# Allegro board MYD-Y6ULX_TEST_V10A.brd
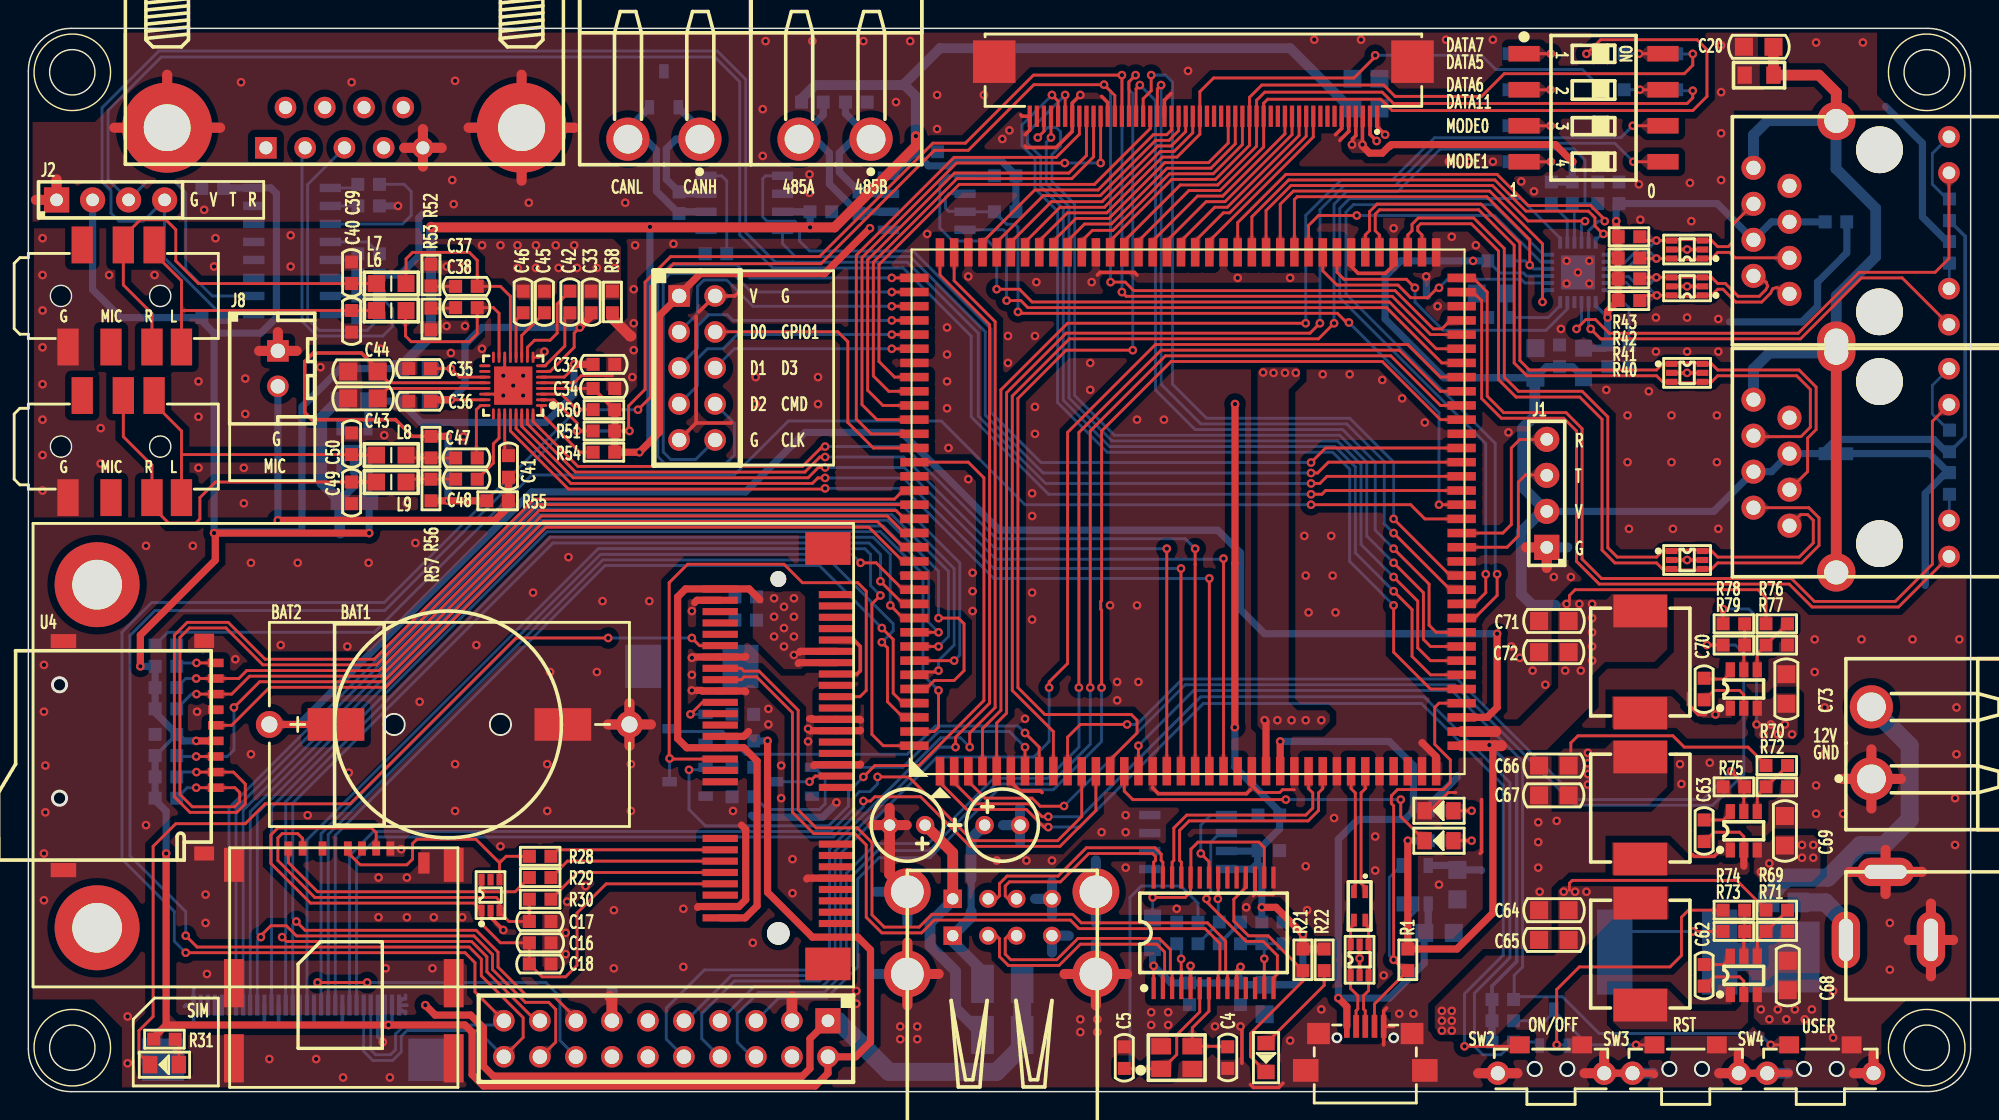
[diagram p0: board, top side]
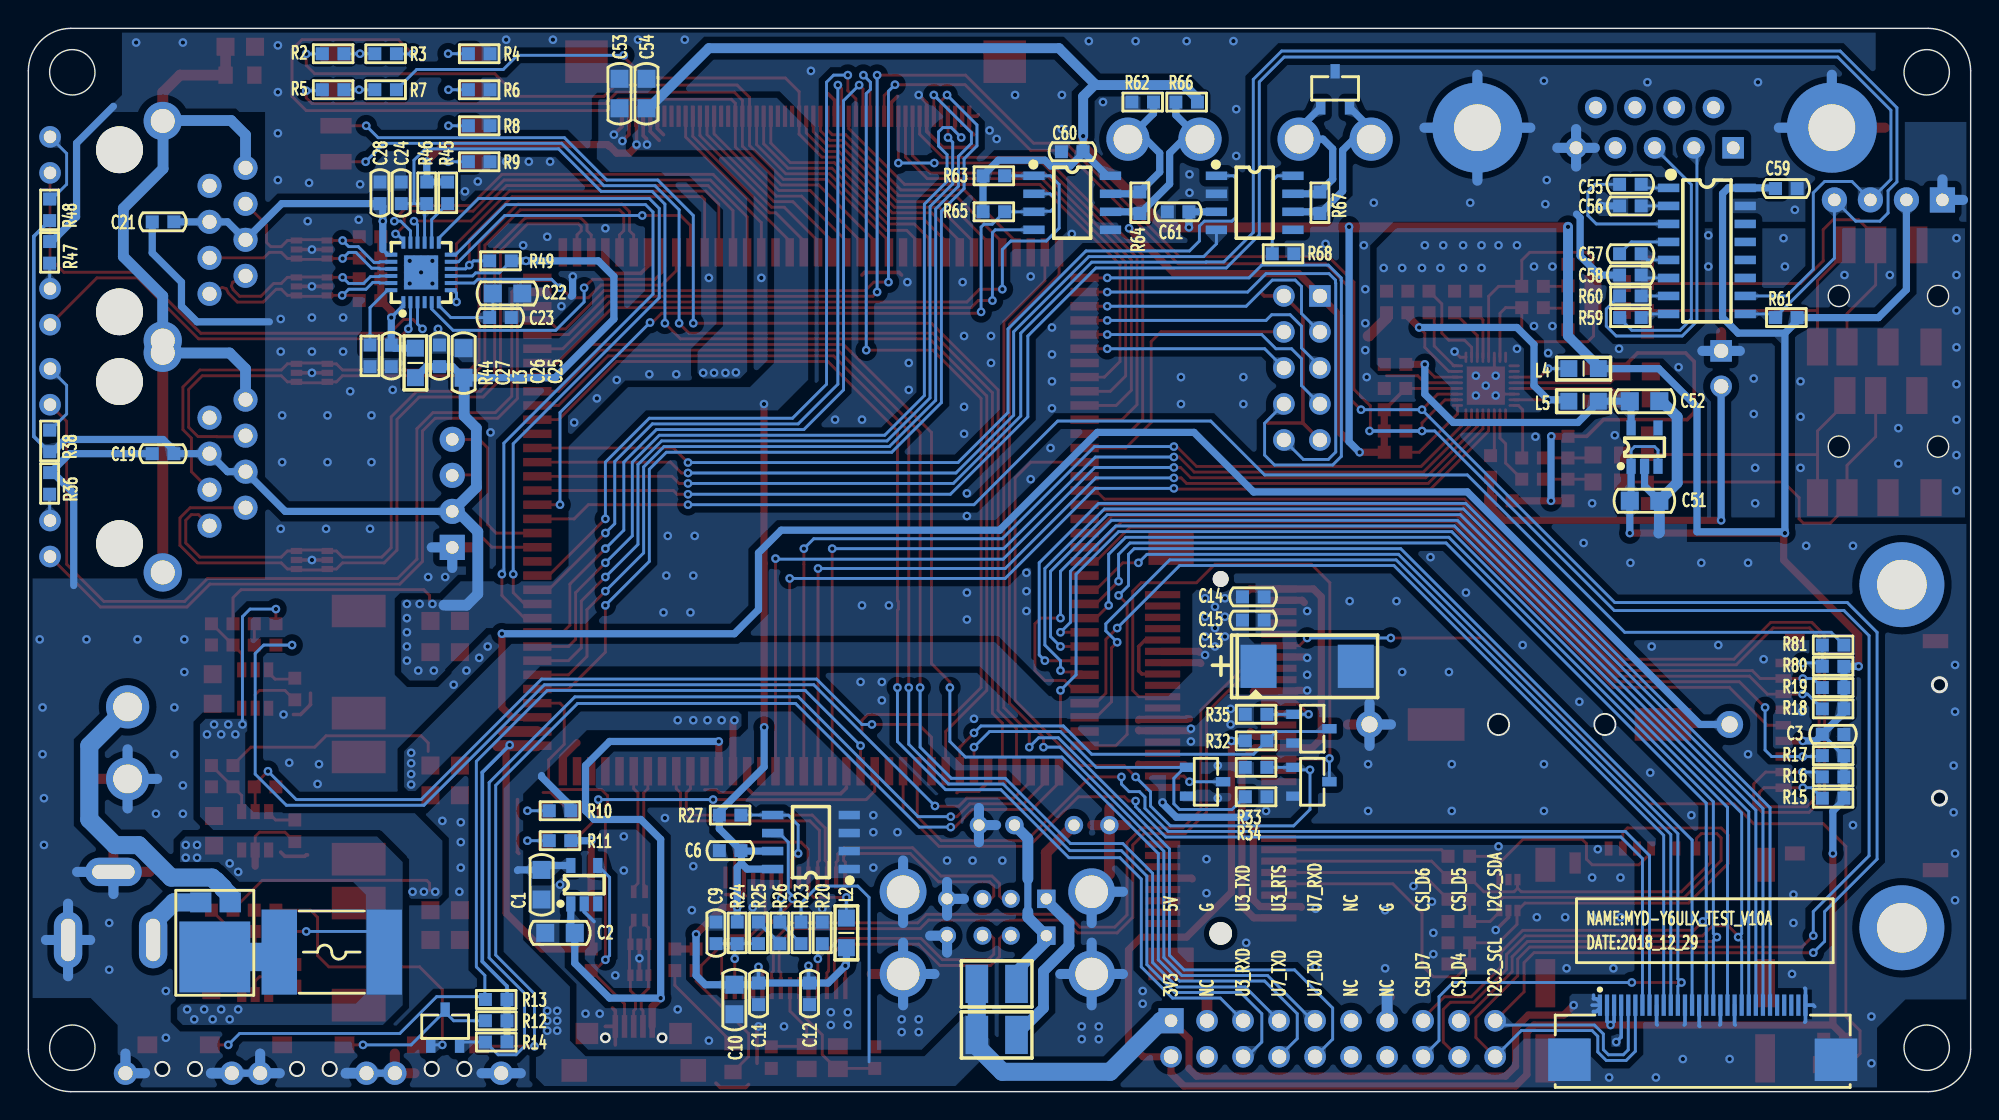
[diagram p1: board, bottom side, seen from below]

Outline 137 x 75 mm; copper layers: TOP, BOTTOM. Coordinates in mm from the lower left corner of the outline.
Outline path: circle c3.1,71.9 r1.6 ; circle c3.1,3.1 r1.6 ; circle c133.9,71.9 r1.6 ; circle c133.9,3.1 r1.6 ; 0,72 0,3 arc(0.88,0.88) 3,0 134,0 arc(136.12,0.88) 137,3 137,72 arc(136.12,74.12) 134,75 3,75 arc(0.88,74.12) 0,72

## Design rules (mm)
constraint set DEFAULT: min track width 0.203, pair gap 0.203
net group *4G_USB_D: nets 4G_USB_DM 4G_USB_DP
net group *HOST1_USB_D: nets HOST1_USB_DM HOST1_USB_DP
net group *HOST2_USB_D: nets HOST2_USB_DM HOST2_USB_DP
net group D: nets DN DP
net group ETH1_RX: nets ETH1_RXN ETH1_RXP
net group ETH1_TX: nets ETH1_TXN ETH1_TXP
net group ETH2_RX: nets ETH2_RXN ETH2_RXP
net group ETH2_TX: nets ETH2_TXN ETH2_TXP
net group USB_OTG1_D: nets USB_OTG1_DN USB_OTG1_DP
net group USB_OTG2_D: nets USB_OTG2_DN USB_OTG2_DP

## Placement (name value [footprint] x y rotation side)
BAT1  CR2032/NI  [CR1220]  29.7 25.9 180 top
BAT2  -  [ER14250]  29.7 25.9 0 top
C1  10uF_25V  [CC0805]  100.8 14.6 270 bottom
C2  10uF_25V  [CC0805]  99.5 11.2 0 bottom
C3  0.1uF_50V  [CC0603]  9.7 25.2 0 bottom
C4  20pF_50V  [CC0603]  84.6 2.4 90 top
C5  20pF_50V  [CC0603]  77.3 2.4 270 top
C6  0.1uF_50V  [CC0603]  87.5 17 180 bottom
C7  470uF_6V3  [CAP-2R5-6R3X6R3]  62 18.8 180 top
C8  470uF_6V3  [CAP-2R5-6R3X6R3]  68.7 18.8 0 top
C9  1uF_50V  [CC0603]  88.5 11.2 270 bottom
C10  10uF_25V  [CC0805]  87.2 6.5 270 bottom
C11  0.1uF_50V  [CC0603]  85.5 6.9 90 bottom
C12  0.1uF_50V  [CC0603]  81.9 6.9 90 bottom
C13  220uF_10V  [CC7343_31]  46.8 30 180 bottom
C14  0.1uF_50V  [CC0603]  50.6 34.9 0 bottom
C15  30pF_50V  [CC0603]  50.6 33.26 0 bottom
C16  0.1uF_50V  [CC0603]  36.1 10.5 0 top
C17  33pF_50V  [CC0603]  36.1 12 180 top
C18  33pF_50V  [CC0603]  36.1 9 180 top
C19  0.1uF_50V  [CC0603]  127.5 45 0 bottom
C20  4.7nF_50V  [CC0805]  122.05 73.7 0 top
C21  0.1uF_50V  [CC0603]  127.5 61.35 0 bottom
C22  10uF_25V  [CC0805]  103.2 56.3 0 bottom
C23  0.1uF_50V  [CC0603]  103.7 54.6 0 bottom
C24  0.1uF_50V  [CC0603]  110.7 63.4 270 bottom
C25  10uF_25V  [CC0805]  106.3 51.4 270 bottom
C26  0.1uF_50V  [CC0603]  108 51.9 270 bottom
C27  0.1uF_50V  [CC0603]  111.4 51.9 90 bottom
C28  0.1uF_50V  [CC0603]  112.2 63.4 270 bottom
C32  0.1uF_50V  [CC0603]  40.6 51.3 180 top
C33  2.2uF_25V  [CC0603]  39.7 55.7 270 top
C34  0.1uF_50V  [CC0603]  40.6 49.6 180 top
C35  0.1uF_50V  [CC0603]  27.6 51 0 top
C36  0.1uF_50V  [CC0603]  27.6 48.7 0 top
C37  0.1uF_50V  [CC0603]  30.9 56.8 0 top
C38  0.1uF_50V  [CC0603]  30.9 55.3 0 top
C39  470pF_50V  [CC0603]  22.8 57.76 270 top
C40  470pF_50V  [CC0603]  22.8 54.34 90 top
C41  1uF_25V  [CC0603]  33.86 44.1 90 top
C42  2.2uF_25V  [CC0603]  38.2 55.7 270 top
C43  10uF_25V  [CC0805]  23.6 48.9 0 top
C44  10uF_25V  [CC0805]  23.6 50.8 0 top
C45  2.2uF_25V  [CC0603]  36.4 55.7 270 top
C46  2.2uF_25V  [CC0603]  34.9 55.7 270 top
C47  1uF_25V  [CC0603]  30.9 44.7 0 top
C48  1uF_25V  [CC0603]  30.9 43.2 0 top
C49  470pF_50V  [CC0603]  22.8 42.24 90 top
C50  470pF_50V  [CC0603]  22.8 45.7 270 top
C51  10uF_25V  [CC0805]  23 41.68 0 bottom
C52  10uF_25V  [CC0805]  23 48.7 0 bottom
C53  10uF_25V  [CC0805]  95.3 70.4 270 bottom
C54  10uF_25V  [CC0805]  93.4 70.4 270 bottom
C55  0.1uF_50V  [CC0603]  24 64 0 bottom
C56  0.1uF_50V  [CC0603]  24 62.48 180 bottom
C57  0.1uF_50V  [CC0603]  24 59.1 180 bottom
C58  0.1uF_50V  [CC0603]  24 57.6 180 bottom
C59  0.1uF_50V  [CC0603]  13 63.7 0 bottom
C60  0.1uF_50V  [CC0603]  63.37 66.3 180 bottom
C61  0.1uF_50V  [CC0603]  55.9 62.06 0 bottom
C62  0.1uF_25V  [CC0603]  118.2 8.2 270 top
C63  0.1uF_25V  [CC0603]  118.2 18.4 270 top
C64  10uF_25V  [CC0805]  107.6 12.8 0 top
C65  10uF_25V  [CC0805]  107.6 10.7 180 top
C66  10uF_25V  [CC0805]  107.6 23 0 top
C67  10uF_25V  [CC0805]  107.6 20.9 180 top
C68  10uF_25V  [CC0805]  124.1 8.2 270 top
C69  10uF_25V  [CC0805]  123.9 18.4 270 top
C70  0.1uF_25V  [CC0603]  118.2 28.4 270 top
C71  10uF_25V  [CC0805]  107.6 33.2 0 top
C72  10uF_25V  [CC0805]  107.6 31 180 top
C73  10uF_25V  [CC0805]  124 28.4 270 top
CON1  5039600696  [SIM_PUSH]  30.3 17.2 180 top
D1  LED_RED  [LED0805]  99.5 19.81 180 top
D2  LED_RED  [LED0805]  99.5 17.7 180 top
D3  BAT54C  [SOT23-3]  107.6 4.52 180 bottom
D4  LED_GREEN  [LED0805]  87.3 2.4 270 top
D5  LED_GREEN  [LED0805]  9.6 1.9 180 top
D6  V10P10  [TO-227A]  123.8 9.5 0 bottom
DC1  -  [DC005]  134.2 10.7 180 top
F1  SMD1210-200  [SMD-1210]  68.7 7.6 180 bottom
F2  SMD1210-200  [SMD-1210]  68.7 4 180 bottom
F3  SMD150L  [FUSE2920]  115.6 9.84 180 bottom
J1  -  [HEADER4X1_2R54]  107.1 42.2 90 top
J2  -  [HEADER4X1_2R54]  5.8 62.9 0 top
J5  -  [HR911105A]  130.57 44.37 270 top
J6  -  [HR911105A]  130.57 60.72 270 top
J7  -  [PJ-393]  0 56.12 180 top
J8  -  [XHB-2A]  17.6 51 270 top
J9  -  [PJ-393]  0 45.5 180 top
J10  FH12-50S-0R5SV  [FFC-50P-0R5-SMD]  82.38 68.8 180 top
J11  FH12-30S-0R5SV  [FFC-30P-0R5-SMD]  18.9 6.1 180 bottom
J12  -  [DB9-F]  22.29 67.99 0 top
J13  -  [HEADER5X2_2R54]  45.9 56.12 270 top
J14  -  [HEADER10X2_2R54]  56.4 5 180 top
J15  -  [WJ2EDGRC-5R08-2P]  130 24.6 90 top
J16  -  [WJ2EDGRC-5R08-2P]  56.9 67.19 180 top
J17  -  [WJ2EDGRC-5R08-2P]  44.83 67.19 180 top
L1  ACM2012-900-2P-T002  [ACM2012-900-2P]  93.9 13.1 270 top
L2  BLM21PG600  [LC0805]  79.3 11.2 90 bottom
L3  BLM21PG600  [LC0805]  109.7 51.4 90 bottom
L4  BLM21PG600  [LC0805]  27.3 51 180 bottom
L5  BLM21PG600  [LC0805]  27.3 48.7 180 bottom
L6  BLM21PG600  [LC0805]  25.6 55.1 180 top
L7  BLM21PG600  [LC0805]  25.6 57 180 top
L8  BLM21PG600  [LC0805]  25.6 44.9 180 top
L9  BLM21PG600  [LC0805]  25.6 43 180 top
L10  TSM0630-3R3M  [TSM0630]  113.7 9.7 90 top
L11  TSM0630-3R3M  [TSM0630]  113.7 20 90 top
L12  TSM0630-3R3M  [TSM0630]  113.7 30.3 90 top
NOREF  -  []  0 0 90 top
NOREF#2  -  []  0 0 0 top
Q1  2N7002  [SOT23-3]  46.5 21.86 270 bottom
Q2  2N7002  [SOT23-3]  54 21.86 270 bottom
Q3  2N7002  [SOT23-3]  46.5 25.6 270 bottom
R1  10K  [RC0603]  97.3 9.3 270 top
R2  0R  [RC0603]  115.5 73.21 180 bottom
R3  0R/NI  [RC0603]  111.8 73.21 0 bottom
R4  1K  [RC0603]  105.2 73.21 180 bottom
R5  0R  [RC0603]  115.5 70.67 180 bottom
R6  1K  [RC0603]  105.2 70.67 180 bottom
R7  0R/NI  [RC0603]  111.8 70.67 0 bottom
R8  1K  [RC0603]  105.2 68.13 180 bottom
R9  1K  [RC0603]  105.2 65.59 180 bottom
R10  10K  [RC0603]  99.5 19.81 0 bottom
R11  10K  [RC0603]  99.5 17.7 0 bottom
R12  100K  [RC0603]  104 5 180 bottom
R13  100K  [RC0603]  104 6.5 180 bottom
R14  100K  [RC0603]  104 3.5 180 bottom
R15  47K  [RC0603]  9.7 20.7 180 bottom
R16  47K  [RC0603]  9.7 22.2 180 bottom
R17  47K  [RC0603]  9.7 23.7 180 bottom
R18  47K  [RC0603]  9.7 27 180 bottom
R19  47K  [RC0603]  9.7 28.5 180 bottom
R20  680R  [RC0603]  81 11.2 270 bottom
R21  100K  [RC0603]  89.9 9.3 90 top
R22  10K  [RC0603]  91.4 9.3 90 top
R23  30K  [RC0603]  82.5 11.2 270 bottom
R24  10K  [RC0603]  87 11.2 270 bottom
R25  47K  [RC0603]  85.5 11.2 270 bottom
R26  30K  [RC0603]  84 11.2 270 bottom
R27  10K  [RC0603]  87.5 19.51 0 bottom
R28  22R  [RC0603]  36.1 16.6 180 top
R29  22R  [RC0603]  36.1 15.1 180 top
R30  22R  [RC0603]  36.1 13.57 180 top
R31  10K  [RC0603]  9.6 3.7 0 top
R32  10K  [RC0603]  50.4 24.74 180 bottom
R33  10K  [RC0603]  50.4 22.87 0 bottom
R34  10K  [RC0603]  50.4 20.8 180 bottom
R35  10K  [RC0603]  50.4 26.62 0 bottom
R36  510R  [RC0603]  135.5 42.9 270 bottom
R38  510R  [RC0603]  135.5 45.9 90 bottom
R39  10M  [R0805]  122.08 71.7 0 top
R40  49.9R  [RC0603]  112.9 55.8 180 top
R41  49.9R  [RC0603]  112.9 57.34 180 top
R42  49.9R  [RC0603]  112.9 58.8 180 top
R43  49.9R  [RC0603]  112.9 60.3 180 top
R44  12.1K  [RC0603]  112.9 51.9 270 bottom
R45  1K  [RC0603]  107.42 63.4 90 bottom
R46  1K  [RC0603]  108.9 63.4 90 bottom
R47  510R  [RC0603]  135.5 59.2 270 bottom
R48  510R  [RC0603]  135.5 62.2 90 bottom
R49  10K  [RC0603]  103.7 58.6 0 bottom
R50  2.2K  [RC0603]  40.6 48.1 0 top
R51  2.2K  [RC0603]  40.6 46.6 0 top
R52  22R  [RC0603]  28.4 57.6 270 top
R53  22R  [RC0603]  28.4 54.5 90 top
R54  1K  [RC0603]  40.6 45.1 180 top
R55  2.2K  [RC0603]  33.1 41.68 180 top
R56  2.2K  [RC0603]  28.4 45.46 90 top
R57  2.2K  [RC0603]  28.4 42.44 270 top
R58  0R  [RC0603]  41.2 55.7 90 top
R59  100R  [RC0603]  24 54.6 180 bottom
R60  100R  [RC0603]  24 56.12 180 bottom
R61  10K  [RC0603]  13 54.6 0 bottom
R62  10K  [RC0603]  58.4 69.8 180 bottom
R63  10K  [RC0603]  68.9 64.6 180 bottom
R64  120R/NI  [RC0603]  58.6 62.7 90 bottom
R65  10K  [RC0603]  68.9 62.06 0 bottom
R66  10K  [RC0603]  55.3 69.8 180 bottom
R67  120R  [RC0603]  45.9 62.7 90 bottom
R68  10K  [RC0603]  48.5 59.1 0 bottom
R69  300K  [RC0603]  123.32 12.8 0 top
R70  300K  [RC0603]  123.32 23 0 top
R71  57.6K  [RC0603]  123.32 11.3 0 top
R72  80.6K  [RC0603]  123.32 21.5 0 top
R73  100K  [RC0603]  120.3 11.3 0 top
R74  0R  [RC0603]  120.3 12.8 180 top
R75  100K  [RC0603]  120.3 21.5 0 top
R76  300K  [RC0603]  123.32 33 0 top
R77  95.3K  [RC0603]  123.32 31.5 0 top
R78  100K  [RC0603]  120.3 33 0 top
R79  1K  [RC0603]  120.3 31.5 180 top
R80  47K  [RC0603]  9.7 30 180 bottom
R81  0R/NI  [RC0603]  9.7 31.5 180 bottom
SW1  -  [DM-04-V]  110.4 69.4 270 top
SW2  -  [K2-1112SW-A4SW-04]  107.4 1.6 180 top
SW3  -  [K2-1112SW-A4SW-04]  116.9 1.6 180 top
SW4  -  [K2-1112SW-A4SW-04]  126.4 1.6 180 top
U1  -  [MYC-Y6ULX_SOM]  81.8 40.9 90 top
U2  TPS2041BDBV  [SOT23-5]  97.79 14.6 180 bottom
U3  TPD4E1U06DCKR  [SOT363]  93.9 9.3 0 top
U4  -  [TFCARD]  12.9 23.7 270 top
U5  X322512MSB4SI  [X-4P-3R2X2R5-SMD]  81 2.4 0 top
U6  GL850G  [TSSOP28]  83.6 11.2 0 top
U7  AT24C02C-SSHM-T  [SOIC8]  81.8 17.6 90 bottom
U8  679105700(molex Mini PCI-E)  [MINI_PCIE_SLOT]  57 11.86 90 top
U9  SMF05C  [SOT363]  32.6 13.86 0 top
U10  TPD4E1U06DCKR  [SOT363]  117 37.5 270 top
U11  TPD4E1U06DCKR  [SOT363]  117 50.7 270 top
U12  LAN8720A  [QFN-24]  109.3 57.78 90 bottom
U13  TPD4E1U06DCKR  [SOT363]  117 56.8 90 top
U14  TPD4E1U06DCKR  [SOT363]  117 59.4 90 top
U15  WM8904CGEFL  [QFN-32-0R4]  34.2 49.8 90 top
U16  RT9013-18GB  [SOT23-5]  23 45.46 180 bottom
U17  SP3232EEN-L/TR  [SOIC16]  18.6 59.3 270 bottom
U18  SP3485EN-L/TR  [SOIC8]  63.37 62.7 270 bottom
U19  SN65HVD230DR  [SOIC8]  50.5 62.7 270 bottom
U20  PESD1CAN  [SOT23-3]  44.83 70.7 180 bottom
U21  BL8032CB6TR  [SOT23-6]  121 8.2 0 top
U22  BL8032CB6TR  [SOT23-6]  121 18.4 0 top
U23  BL8032CB6TR  [SOT23-6]  121 28.4 0 top
USB1  USB-MICRO  [USB-U-F-M5SS-W-1]  94.3 1.5 0 top
USB2  -  [USB-A-DOUBLE]  68.7 13.6 270 top

## Library data of the parts
BAT1 BAT2 = JMP-2_0
C1 C2 C4 C5 C14-C28 C32-C52 = CAP NP_2
C3 C9 C11 C12 C55-C63 C70 = CAP NP
C6 C53 C54 C64-C69 C71-C73 = CAP NP_3
C7 C8 = CAPT_100UF_3528_6r3V_10%_LXXXX
C10 = C_Generic
C13 = TMP_154254
CON1 = SIM_Card_2
D1 D2 D4 D5 = LED_4
D3 = BAT54C
D6 = DIODE13_6
DC1 = DC005
F1-F3 = FUSE
J1 J2 = CONN RCPT 4
J5 J6 = CON_RJ45_1X8_F_RA_0
J7 J9 = PJ-393
J8 J16 J17 = CONN RCPT 2
J10 = FPC50
J11 = FPC30
J12 = DB9-F_0
J13 = CONN RCPT 5x2
J14 = CONN RECT 10x2
J15 = HDR_1
L1 = 744822222_0
L2 = IND_BEAD_0805_600OHM_200MA
L3-L9 = IND_BEAD_0805_600OHM_1
L10-L12 = INDUCTOR_0
Q1-Q3 = MOS-P_0
R1-R36 R38-R81 = R_Generic
SW1 = SW DIP-4_0
SW2-SW4 = SWITCH-SPST-4P
U1 = MYC-Y6ULX_SOM
U2 = TPS2051BDBVR
U3 U10 U11 U13 U14 = TPD4E1U06DBVR
U4 = TFCARD
U5 = TSX-3225
U6 = GL850G
U7 = AT24C512
U8 = MINI_PCI_LATCH_1
U9 = SMF05CT1G
U12 = LAN8720A
U15 = WM8904
U16 = RT9013-18GB
U17 = ADM202_0
U18 = MAX3485ESA
U19 = TJA1050
U20 = PESD1CAN
U21-U23 = BL8032CB6TR
USB1 = USB-MICRO
USB2 = USB-A-DOUBLE

## Footprints (pads in the part's own frame, mm; a bottom-side part is the same pattern mirrored in y, then rotated)
ACM2012-900-2P
  rect 0.9x0.4 smd: 1(-1,0.4) 2(-1,-0.4) 3(1,-0.4) 4(1,0.4)
CAP-2R5-6R3X6R3
  round 1.3 hole 0.8: 1(-1.25,0) 2(1.25,0)
CC0603
  rect 0.914x0.914 smd: 1(-0.762,0) 2(0.762,0)
CC0805
  rect 1.27x1.27 smd: 1(-1.041,0) 2(1.041,0)
CC7343_31
  rect 2.54x3.048 smd: 1(-3.429,0) 2(3.429,0)
CR1220
  rect 4x2.3 smd: 1(8,0) 2(-8,0)
DB9-F
  rect 1.524x1.524 hole 0.914: 1(-5.54,-1.42)
  round 1.524 hole 0.914: 2(-2.77,-1.42) 3(0,-1.42) 4(2.77,-1.42) 5(5.54,-1.42) 6(-4.155,1.42) 7(-1.385,1.42) 8(1.385,1.42) 9(4.155,1.42)
  round 6.35 hole 3.302: 10(12.5,0) 11(-12.5,0)
DC005
  oval 2x4 hole 1x3: 1(6,0) 2(0,0)
  oval 4x2 hole 3x1: 3(3.2,-4.8)
DM-04-V
  rect 1.1x2.2 smd: 1(-3.81,-4.9) 2(-1.27,-4.9) 3(1.27,-4.9) 4(3.81,-4.9) 5(3.81,4.9) 6(1.27,4.9) 7(-1.27,4.9) 8(-3.81,4.9)
ER14250
  round 1.905 hole 1.143: 1(-12.7,0) 2(12.7,0)
FFC-30P-0R5-SMD
  rect 0.3x1.5 smd: 1(-7.25,0) 2(-6.75,0) 3(-6.25,0) 4(-5.75,0) 5(-5.25,0) 6(-4.75,0) 7(-4.25,0) 8(-3.75,0) 9(-3.25,0) 10(-2.75,0) 11(-2.25,0) 12(-1.75,0) 13(-1.25,0) 14(-0.75,0) 15(-0.25,0) 16(0.25,0) 17(0.75,0) 18(1.25,0) 19(1.75,0) 20(2.25,0) 21(2.75,0) 22(3.25,0) 23(3.75,0) 24(4.25,0) 25(4.75,0) 26(5.25,0) 27(5.75,0) 28(6.25,0) 29(6.75,0) 30(7.25,0)
  rect 3x3 smd: 31(-9.4,-3.85) 32(9.4,-3.85)
FFC-50P-0R5-SMD
  rect 0.3x1.5 smd: 1(-12.75,0) 2(-12.25,0) 3(-11.75,0) 4(-11.25,0) 5(-10.75,0) 6(-10.25,0) 7(-9.75,0) 8(-9.25,0) 9(-8.75,0) 10(-8.25,0) 11(-7.75,0) 12(-7.25,0) 13(-6.75,0) 14(-6.25,0) 15(-5.75,0) 16(-5.25,0) 17(-4.75,0) 18(-4.25,0) 19(-3.75,0) 20(-3.25,0) 21(-2.75,0) 22(-2.25,0) 23(-1.75,0) 24(-1.25,0) 25(-0.75,0) 26(-0.25,0) 27(0.25,0) 28(0.75,0) 29(1.25,0) 30(1.75,0) 31(2.25,0) 32(2.75,0) 33(3.25,0) 34(3.75,0) 35(4.25,0) 36(4.75,0) 37(5.25,0) 38(5.75,0) 39(6.25,0) 40(6.75,0) 41(7.25,0) 42(7.75,0) 43(8.25,0) 44(8.75,0) 45(9.25,0) 46(9.75,0) 47(10.25,0) 48(10.75,0) 49(11.25,0) 50(11.75,0)
  rect 3x3 smd: 51(-15.25,-3.85) 52(14.25,-3.85)
FUSE2920
  rect 2.5x6 smd: 1(-3.7,0) 2(3.7,0)
HEADER4X1_2R54
  rect 1.778x1.778 hole 0.889: 1(-3.81,0)
  round 1.778 hole 0.889: 2(-1.27,0) 3(1.27,0) 4(3.81,0)
HEADER5X2_2R54
  rect 1.524x1.524 hole 1.016: 1(0,0)
  round 1.524 hole 1.016: 2(0,2.54) 3(2.54,0) 4(2.54,2.54) 5(5.08,0) 6(5.08,2.54) 7(7.62,0) 8(7.62,2.54) 9(10.16,0) 10(10.16,2.54)
HEADER10X2_2R54
  rect 1.778x1.778 hole 0.889: 1(0,0)
  round 1.524 hole 1.016: 2(0,2.54) 3(2.54,0) 4(2.54,2.54) 5(5.08,0) 6(5.08,2.54) 7(7.62,0) 8(7.62,2.54) 9(10.16,0) 10(10.16,2.54) 11(12.7,0) 12(12.7,2.54) 13(15.24,0) 14(15.24,2.54) 15(17.78,0) 16(17.78,2.54) 17(20.32,0) 18(20.32,2.54) 19(22.86,0) 20(22.86,2.54)
HR911105A
  round 3.3 hole 3.3 unplated: (-5.715,0) (5.715,0)
  round 1.699 hole 1.001: 1(4.45,-6.35) 2(3.18,-8.89) 3(1.91,-6.35) 4(0.64,-8.89) 5(-0.63,-6.35) 6(-1.9,-8.89) 7(-3.17,-6.35) 8(-4.44,-8.89)
  round 1.524 hole 0.889: 9(6.625,4.9) 10(4.085,4.9) 11(-4.085,4.9) 12(-6.625,4.9)
  round 2.7 hole 1.7: 13(7.745,-3.05) 14(-7.745,-3.05)
K2-1112SW-A4SW-04
  round 1.65 hole 1: 1(-3.75,0.3) 4(3.75,0.3)
  rect 1.4x1.2 smd: 2(-2.2,-1.7) 3(2.2,-1.7)
LC0805
  rect 1.194x1.194 smd: 1(-1.041,0) 2(1.041,0)
LED0805
  rect 1.016x1.219 smd: 1(-1.016,0) 2(1.016,0)
MINI_PCIE_SLOT
  rect 2.3x3.2 smd: (-2.85,0.6) (26.45,0.6)
  round 1.6 hole 1.6 unplated: (-0.7,4.1)
  round 5.994 hole 3.505: (-0.3,52.15) (23.9,52.15)
  round 1.118 hole 1.118 unplated: (24.3,4.1)
  rect 0.5x2.489 smd: 1(0,0) 2(0.4,8.2) 3(0.8,0) 4(1.2,8.2) 5(1.6,0) 6(2,8.2) 7(2.4,0) 8(2.8,8.2) 9(3.2,0) 10(3.6,8.2) 11(4,0) 12(4.4,8.2) 13(4.8,0) 14(5.2,8.2) 15(5.6,0) 16(6,8.2) 17(9.6,0) 18(10,8.2) 19(10.4,0) 20(10.8,8.2) 21(11.2,0) 22(11.6,8.2) 23(12,0) 24(12.4,8.2) 25(12.8,0) 26(13.2,8.2) 27(13.6,0) 28(14,8.2) 29(14.4,0) 30(14.8,8.2) 31(15.2,0) 32(15.6,8.2) 33(16,0) 34(16.4,8.2) 35(16.8,0) 36(17.2,8.2) 37(17.6,0) 38(18,8.2) 39(18.4,0) 40(18.8,8.2) 41(19.2,0) 42(19.6,8.2) 43(20,0) 44(20.4,8.2) 45(20.8,0) 46(21.2,8.2) 47(21.6,0) 48(22,8.2) 49(22.4,0) 50(22.8,8.2) 51(23.2,0) 52(23.6,8.2)
MYC-Y6ULX_SOM
  rect 2x0.6 smd: 1(-18.3,17.5) 2(-18.3,16.5) 3(-18.3,15.5) 4(-18.3,14.5) 5(-18.3,13.5) 6(-18.3,12.5) 7(-18.3,11.5) 8(-18.3,10.5) 9(-18.3,9.5) 10(-18.3,8.5) 11(-18.3,7.5) 12(-18.3,6.5) 13(-18.3,5.5) 14(-18.3,4.5) 15(-18.3,3.5) 16(-18.3,2.5) 17(-18.3,1.5) 18(-18.3,0.5) 19(-18.3,-0.5) 20(-18.3,-1.5) 21(-18.3,-2.5) 22(-18.3,-3.5) 23(-18.3,-4.5) 24(-18.3,-5.5) 25(-18.3,-6.5) 26(-18.3,-7.5) 27(-18.3,-8.5) 28(-18.3,-9.5) 29(-18.3,-10.5) 30(-18.3,-11.5) 31(-18.3,-12.5) 32(-18.3,-13.5) 33(-18.3,-14.5) 34(-18.3,-15.5) 35(-18.3,-16.5) 36(-18.3,-17.5) 71(18.3,-17.5) 72(18.3,-16.5) 73(18.3,-15.5) 74(18.3,-14.5) 75(18.3,-13.5) 76(18.3,-12.5) 77(18.3,-11.5) 78(18.3,-10.5) 79(18.3,-9.5) 80(18.3,-8.5) 81(18.3,-7.5) 82(18.3,-6.5) 83(18.3,-5.5) 84(18.3,-4.5) 85(18.3,-3.5) 86(18.3,-2.5) 87(18.3,-1.5) 88(18.3,-0.5) 89(18.3,0.5) 90(18.3,1.5) 91(18.3,2.5) 92(18.3,3.5) 93(18.3,4.5) 94(18.3,5.5) 95(18.3,6.5) 96(18.3,7.5) 97(18.3,8.5) 98(18.3,9.5) 99(18.3,10.5) 100(18.3,11.5) 101(18.3,12.5) 102(18.3,13.5) 103(18.3,14.5) 104(18.3,15.5) 105(18.3,16.5) 106(18.3,17.5)
  rect 0.6x2 smd: 37(-16.5,-19.3) 38(-15.5,-19.3) 39(-14.5,-19.3) 40(-13.5,-19.3) 41(-12.5,-19.3) 42(-11.5,-19.3) 43(-10.5,-19.3) 44(-9.5,-19.3) 45(-8.5,-19.3) 46(-7.5,-19.3) 47(-6.5,-19.3) 48(-5.5,-19.3) 49(-4.5,-19.3) 50(-3.5,-19.3) 51(-2.5,-19.3) 52(-1.5,-19.3) 53(-0.5,-19.3) 54(0.5,-19.3) 55(1.5,-19.3) 56(2.5,-19.3) 57(3.5,-19.3) 58(4.5,-19.3) 59(5.5,-19.3) 60(6.5,-19.3) 61(7.5,-19.3) 62(8.5,-19.3) 63(9.5,-19.3) 64(10.5,-19.3) 65(11.5,-19.3) 66(12.5,-19.3) 67(13.5,-19.3) 68(14.5,-19.3) 69(15.5,-19.3) 70(16.5,-19.3) 107(16.5,19.3) 108(15.5,19.3) 109(14.5,19.3) 110(13.5,19.3) 111(12.5,19.3) 112(11.5,19.3) 113(10.5,19.3) 114(9.5,19.3) 115(8.5,19.3) 116(7.5,19.3) 117(6.5,19.3) 118(5.5,19.3) 119(4.5,19.3) 120(3.5,19.3) 121(2.5,19.3) 122(1.5,19.3) 123(0.5,19.3) 124(-0.5,19.3) 125(-1.5,19.3) 126(-2.5,19.3) 127(-3.5,19.3) 128(-4.5,19.3) 129(-5.5,19.3) 130(-6.5,19.3) 131(-7.5,19.3) 132(-8.5,19.3) 133(-9.5,19.3) 134(-10.5,19.3) 135(-11.5,19.3) 136(-12.5,19.3) 137(-13.5,19.3) 138(-14.5,19.3) 139(-15.5,19.3) 140(-16.5,19.3)
PJ-393
  rect 1.5x2.6 smd: 1(-2.8,3.6) 2(-5.83,3.6) 3(-8.72,3.6) 4(-10.8,3.6) 5(-8.87,-3.6) 6(-6.7,-3.6) 7(-3.8,-3.6)
QFN-24
  rect 0.85x0.28 smd: 1(-2.1,1.25) 2(-2.1,0.75) 3(-2.1,0.25) 4(-2.1,-0.25) 5(-2.1,-0.75) 6(-2.1,-1.25) 13(2.1,-1.25) 14(2.1,-0.75) 15(2.1,-0.25) 16(2.1,0.25) 17(2.1,0.75) 18(2.1,1.25)
  rect 0.28x0.85 smd: 7(-1.25,-2.1) 8(-0.75,-2.1) 9(-0.25,-2.1) 10(0.25,-2.1) 11(0.75,-2.1) 12(1.25,-2.1) 19(1.25,2.1) 20(0.75,2.1) 21(0.25,2.1) 22(-0.25,2.1) 23(-0.75,2.1) 24(-1.25,2.1)
  rect 2.4x2.4 smd: 25(0,0)
QFN-32-0R4
  oval 0.2x0.8 smd: 1(-1.4,-2) 2(-1,-2) 3(-0.6,-2) 4(-0.2,-2) 5(0.2,-2) 6(0.6,-2) 7(1,-2) 8(1.4,-2) 17(1.4,2) 18(1,2) 19(0.6,2) 20(0.2,2) 21(-0.2,2) 22(-0.6,2) 23(-1,2) 24(-1.4,2)
  oval 0.8x0.2 smd: 9(2,-1.4) 10(2,-1) 11(2,-0.6) 12(2,-0.2) 13(2,0.2) 14(2,0.6) 15(2,1) 16(2,1.4) 25(-2,1.4) 26(-2,1) 27(-2,0.6) 28(-2,0.2) 29(-2,-0.2) 30(-2,-0.6) 31(-2,-1) 32(-2,-1.4)
  rect 2.7x2.7 smd: 33(0,0)
R0805
  rect 1.016x1.219 smd: 1(-1.016,0) 2(1.016,0)
RC0603
  rect 0.914x0.914 smd: 1(-0.762,0) 2(0.762,0)
SIM_PUSH
  rect 0.55x1 smd: 1(5.765,0.05) 2(7.765,0.05) 3(11.955,0.05) 4(9.55,0.05) 5(4.765,0.05) 6(6.765,0.05) 7(10.955,0.05)
  rect 1.4x2.4 smd: 8(0.3,1.2) 13(15.8,1.2)
  rect 1.4x3.4 smd: 9(0.3,9.55) 10(0.3,14.85) 11(15.8,14.85) 12(15.8,9.55)
  rect 0.8x1.5 smd: 14(2.4,1.07)
SMD-1210
  rect 1.6x2.7 smd: 1(-1.4,0) 2(1.4,0)
SOIC8
  rect 0.6x1.5 smd: 1(-1.9,-2.7) 2(-0.63,-2.7) 3(0.64,-2.7) 4(1.91,-2.7) 5(1.91,2.7) 6(0.64,2.7) 7(-0.63,2.7) 8(-1.9,2.7)
SOIC16
  rect 0.6x1.5 smd: 1(-4.445,-2.7) 2(-3.175,-2.7) 3(-1.905,-2.7) 4(-0.635,-2.7) 5(0.635,-2.7) 6(1.905,-2.7) 7(3.175,-2.7) 8(4.445,-2.7) 9(4.445,2.7) 10(3.175,2.7) 11(1.905,2.7) 12(0.635,2.7) 13(-0.635,2.7) 14(-1.905,2.7) 15(-3.175,2.7) 16(-4.445,2.7)
SOT23-3
  rect 0.66x1.016 smd: 1(-1.016,-1.27) 2(1.016,-1.27) 3(0,1.27)
SOT23-5
  rect 0.65x1.06 smd: 1(-0.95,-1.354) 2(0,-1.354) 3(0.95,-1.354) 4(0.95,1.354) 5(-0.95,1.354)
SOT23-6
  rect 0.65x1.06 smd: 1(-0.95,-1.354) 2(0,-1.354) 3(0.95,-1.354) 4(0.95,1.354) 5(0,1.354) 6(-0.95,1.354)
SOT363
  rect 0.432x0.813 smd: 1(-0.635,-1.092) 2(0,-1.092) 3(0.635,-1.092) 4(0.635,1.092) 5(0,1.092) 6(-0.635,1.092)
TFCARD
  rect 0.6x1.1 smd: 1(2.26,0.32) 2(1.16,0.32) 3(0.06,0.32) 4(-1.04,0.32) 5(-2.14,0.32) 6(-3.24,0.32) 7(-4.34,0.32) 8(-5.44,0.32) 9(-6.54,0.32)
  rect 1x1.4 smd: 10(-8.1,-0.5) 13(6.9,-0.5)
  rect 1x1.8 smd: 11(-8.074,-10.422) 12(8.074,-10.422)
TO-227A
  rect 1.5x1.4 smd: 1(1.04,-3.85) 2(-1.04,-3.85)
  rect 5x5 smd: 3(0.05,0)
TSM0630
  rect 2.3x3.8 smd: 1(-3.6,0) 2(3.6,0)
TSSOP28
  rect 0.3x1.55 smd: 1(-4.225,-3.9) 2(-3.575,-3.9) 3(-2.925,-3.9) 4(-2.275,-3.9) 5(-1.625,-3.9) 6(-0.975,-3.9) 7(-0.325,-3.9) 8(0.325,-3.9) 9(0.975,-3.9) 10(1.625,-3.9) 11(2.275,-3.9) 12(2.925,-3.9) 13(3.575,-3.9) 14(4.225,-3.9) 15(4.225,3.9) 16(3.575,3.9) 17(2.925,3.9) 18(2.275,3.9) 19(1.625,3.9) 20(0.975,3.9) 21(0.325,3.9) 22(-0.325,3.9) 23(-0.975,3.9) 24(-1.625,3.9) 25(-2.275,3.9) 26(-2.925,3.9) 27(-3.575,3.9) 28(-4.225,3.9)
USB-A-DOUBLE
  rect 1.3x1.3 hole 0.8: 1(2.6,-3.5) 5(0,-3.5)
  round 1.27 hole 0.8: 2(2.6,-1) 3(2.6,1) 4(2.6,3.5) 6(0,-1) 7(0,1) 8(0,3.5)
  round 3.3 hole 2.3: 9(-0.5,6.6) 10(5.3,6.6) 11(5.3,-6.7) 12(-0.5,-6.7)
USB-U-F-M5SS-W-1
  rect 0.4x1.6 smd: 1(-1.3,3.1) 2(-0.65,3.1) 3(0,3.1) 4(0.65,3.1) 5(1.3,3.1)
  rect 1.6x1.5 smd: 6(-3.3,2.6) 7(3.3,2.6)
  rect 1.8x1.6 smd: 8(-4.2,0) 9(4.2,0)
WJ2EDGRC-5R08-2P
  round 3.048 hole 2.032: 1(-2.54,0) 2(2.54,0)
X-4P-3R2X2R5-SMD
  rect 1.4x1.15 smd: 1(-1.1,-0.8) 2(1.1,-0.8) 3(1.1,0.8) 4(-1.1,0.8)
XHB-2A